# Altium PCB PCB1.PcbDoc (part 2 of 2)
Units mm, origin at the board's own origin, x right, y up, seen from the top; angles counter-clockwise.
Board outline 100 x 68 mm, 2 copper layers (Top Layer, Bottom Layer); 243 components, 316 nets, 1155 pads, 13 vias.
Unrouted connection lines stored in the file: 557.
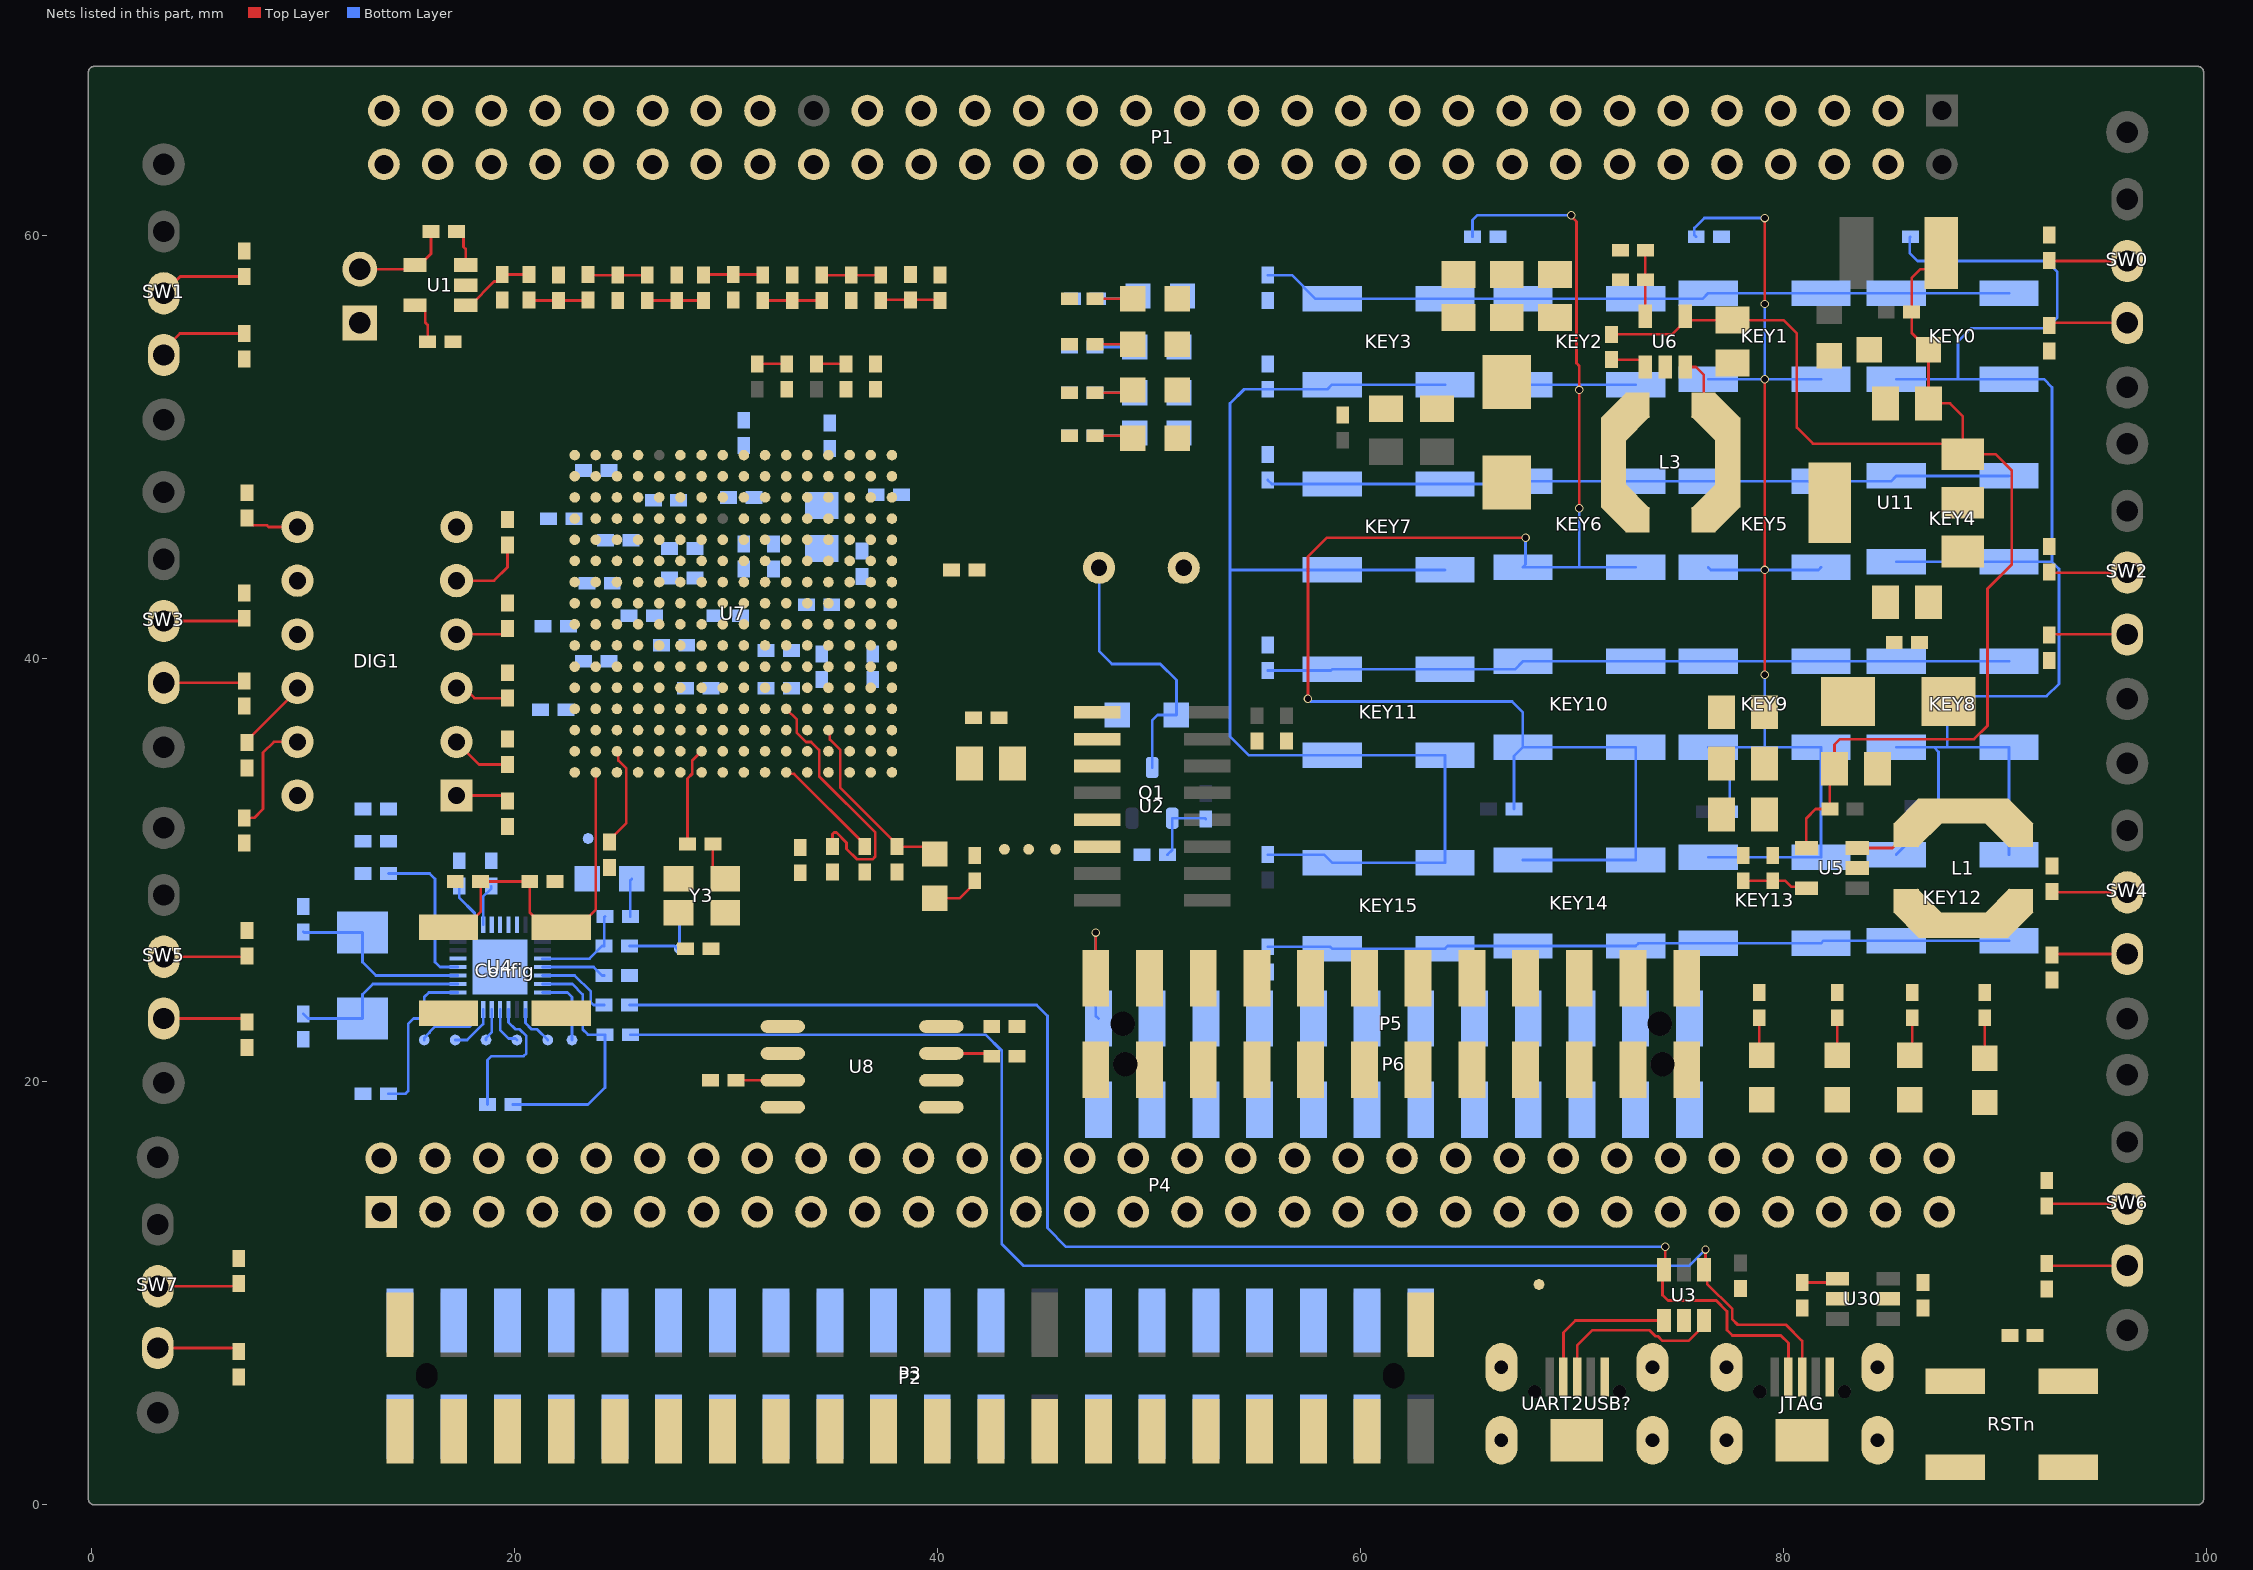
[diagram p2: the nets of this part, all layers, seen from the top]

## Part data
D9 DD1: library part PMEG2010AEH,115, "Diode, Schottky, 20 V, 1 A, SOD-123F", Manufacturer="NXP Semiconductor", Supplier Part Number 1=568-4112-1-ND, Value1=1A, Value2=0.43V, ComponentLink1Description="Datasheet link", ComponentLink1URL=http://www.nxp.com/documents/data_sheet/PMEG2010AEH_PMEG2010AET.pdf, CompType=Diode, IGNORE=N, Io_A=1, LatestRevisionDate=2015-04-30, MountType=SMT, PackageReference=SOD-123F, PartNumber=1N5819, Published=2008-06-26, Publisher="Texas Instruments", RoHS=Y, Supplier 1=Digi-Key, Supplier 2=Mouser, Supplier 3=Farnell, Supplier Part Number 2=771-PMEG2010AEH-T/R, Supplier Part Number 3=2371105, SymbolVersion=2008-12-08, TJmax_C=150, Type=Schottky, U/M=EA, Vf_V=0.43, Vr_V=20
R81 R25 R26 R31 R32 R34 R35 R37 R38 R55 R68 R72 R89 R94 R95 R96 R98 R99: "RES, 2.21 k, 1%, 0.063 W, 0402", Manufacturer=Vishay-Dale, Power_W=0.063, Supplier Part Number 1=541-2.21KLCT-ND, TempCo="100 ppm/C", Tolerance_%=1, Value1=1%, Value2=0.063W, Value_Code=2k21, ValueDisplayed=2.21k, ComponentLink1Description="Datasheet link", ComponentLink1URL=http://www.vishay.com/docs/20035/dcrcwe3.pdf, CompType=Resistor, EIA_Code=E96, LatestRevisionDate=2015-05-01, MountType=SMT, PackageReference=0402, PartNumber=CRCW04022K21FKED, Published=2008-06-26, Publisher="Texas Instruments", Res_ohm=2210, RoHS=Y, Supplier 1=Digi-Key, Supplier 2=Mouser, Supplier 3=Farnell, Supplier Part Number 2=71-CRCW0402-2.21K-E3, Supplier Part Number 3=1469689, SymbolVersion=2009-05-29, Technology="Thick Film", U/M=EA, VDC_V=50
BUZZER1: library part BUZZER_EFBAA14D001, "Buzzer, 74 dB min, 25V p-p, 8500pF @ 1kHz，直插9040无源蜂鸣器", Manufacturer=Panasonic, Area=264,208, ComponentHeight="0.276 inch", ComponentLink1Description="AEO Datasheet Link", PackageReference="0.550 DIA.", PartNumber=直插9040无源蜂鸣器, SymbolVersion="07/31/2009 12:17:27"
C1 C2 C3 C4 C6 C24 C25 C26 C27 C29 C30 C31 C33 C34 C36 C37 C38 C40 C41 C42C? C44 C45 C47 C48 C49 C50 C52 C53 C57: library part C1005X7R1H104M_1, "CAP, CERM, 0.1 μF, 50 V, +/- 20%, X7R, 0402", Cap_Case=0402, Manufacturer=TDK, Supplier Part Number 1=445-5933-1-ND, TempCo=X7R, Tolerance_%=20, Value1=Unknown, Value2=50V, ValueDisplayed=0.1μF, Cap_F=0.0000001, ComponentLink1Description="Datasheet link", CompType=Capacitor, LatestRevisionDate=2015-05-02, MountType=SMT, PackageReference=0402, PartNumber=C1005X7R1H104M, Polarized=N, Published=2008-06-19, Publisher="Texas Instruments", RoHS=Y, Supplier 1=Digi-Key, Supplier 2=Farnell, Supplier Part Number 2=1907278, SymbolVersion=2008-07-09, TaMax_C=125, TaMin_C=-55, Technology=Ceramic, U/M=EA, VDC_V=50
C8: "CAP, CERM, 22 pF, 50 V, +/- 1%, C0G/NP0, 0402", Cap_Case=0402, Manufacturer=MuRata, Supplier Part Number 1=490-8589-1-ND, TempCo=C0G/NP0, Tolerance_%=1, Value1=Unknown, Value2=50V, ValueDisplayed=22pF, Cap_F=0.000000000022, ComponentLink1Description="Datasheet link", ComponentLink1URL=http://search.murata.co.jp/Ceramy/image/img/A01X/partnumbering_e_01.pdf, CompType=Capacitor, LatestRevisionDate=2015-05-02, MountType=SMT, PackageReference=0402, PartNumber=GRM1555C1H220FA01D, Polarized=N, Published=2008-06-19, Publisher="Texas Instruments", RoHS=Y, Supplier 1=Digi-Key, Supplier 2=Mouser, Supplier Part Number 2=81-GRM1555C1H220FA1D, SymbolVersion=2008-07-09, TaMax_C=125, TaMin_C=-55, Technology=Ceramic, U/M=EA, VDC_V=50
C9 C16 C22 C35: "CAP, CERM, 0.1 µF, 50 V, +/- 20%, X7R, 0402", Cap_Case=0402, Manufacturer=TDK, Supplier Part Number 1=445-5933-1-ND, TempCo=X7R, Tolerance_%=20, Value1=Unknown, Value2=50V, ValueDisplayed=0.1µF, Cap_F=0.0000001, ComponentLink1Description="Datasheet link", CompType=Capacitor, LatestRevisionDate=2015-05-02, MountType=SMT, PackageReference=0402, PartNumber=C1005X7R1H104M, Polarized=N, Published=2008-06-19, Publisher="Texas Instruments", RoHS=Y, Supplier 1=Digi-Key, Supplier 2=Farnell, Supplier Part Number 2=1907278, SymbolVersion=2008-07-09, TaMax_C=125, TaMin_C=-55, Technology=Ceramic, U/M=EA, VDC_V=50
C10 C17: library part 293D226X9016C2TE3, "CAP, TA, 22 µF, 16 V, +/- 10%, 1.8 ohm, SMD", Cap_Case=C, Manufacturer=Vishay-Sprague, Supplier Part Number 1=718-1066-1-ND, Tolerance_%=10, Value1="1.8 ohm", Value2=16V, ValueDisplayed=22µF, Cap_F=0.000022, ComponentLink1Description="Datasheet link", ComponentLink1URL=http://www.vishay.com/docs/40002/293d.pdf, CompType=Capacitor, ESR_ohm=1.8, IGNORE=Y, IRMS_A=0.28, LatestRevisionDate=2015-03-19, LatestRevisionNote="Updated supplier links", MountType=SMT, PackageReference=6032-28, PartNumber=293D226X9016C2TE3, Polarized=Y, Publisher="Texas Instruments", RoHS=Y, Series=293D, Supplier 1=Digi-Key, Supplier 2=Mouser, Supplier 3=Farnell, Supplier Part Number 2=74-293D226X9016C2TE3, Supplier Part Number 3=1754187, SymbolVersion=2008-07-09, TaMax_C=125, TaMin_C=-55, Technology=TA, U/M=EA, VDC_V=16
C11 C12 C13 C14 C15 C18 C19 C20 C21 C23 C54 C55: "CAP, CERM, 4.7 µF, 16 V, +/- 10%, X6S, 0805", Cap_Case=0805, Manufacturer=MuRata, Supplier Part Number 1=GRM21BC81C475KA88L-ND, TempCo=X6S, Tolerance_%=10, Value1=Unknown, Value2=16V, ValueDisplayed=4.7µF, Cap_F=0.0000047, ComponentLink1Description="Datasheet link", ComponentLink1URL=http://search.murata.co.jp/Ceramy/PnsearchViewAction.do?HnOFG=ON&HnNFG=ON&SEL_CNT=50&sLang=en&sKey=GRM21BC81C475KA88L&x=9&y=9&search=startwith, CompType=Capacitor, LatestRevisionDate=2015-05-02, MountType=SMT, PackageReference=0805, PartNumber=GRM21BC81C475KA88L, Polarized=N, Published=2008-06-19, Publisher="Texas Instruments", RoHS=Y, Supplier 1=Digi-Key, Supplier 2=Mouser, Supplier 3=Farnell, Supplier Part Number 2=81-GRM21BC81C475KA8L, Supplier Part Number 3=1889279, SymbolVersion=2008-07-09, TaMax_C=105, TaMin_C=-55, Technology=Ceramic, U/M=EA, VDC_V=16
C28 C32 C39 C43 C51: "CAP, CERM, 0.01 μF, 50 V, +/- 5%, X7R, 0402", Cap_Case=0402, Manufacturer=Kemet, Supplier Part Number 1=399-7758-1-ND, TempCo=X7R, Tolerance_%=5, Value1=Unknown, Value2=50V, ValueDisplayed=0.01μF, Cap_F=0.00000001, ComponentLink1Description="Datasheet link", ComponentLink1URL=http://www.kemet.com/Lists/ProductCatalog/Attachments/53/KEM_C1002_X7R_SMD.pdf, CompType=Capacitor, LatestRevisionDate=2015-05-02, MountType=SMT, PackageReference=0402, PartNumber=C0402C103J5RACTU, Polarized=N, Published=2008-06-19, Publisher="Texas Instruments", RoHS=Y, Supplier 1=Digi-Key, Supplier 2=Mouser, Supplier 3=Farnell, Supplier Part Number 2=80-C0402C103J5R, Supplier Part Number 3=2413922, SymbolVersion=2008-07-09, TaMax_C=125, TaMin_C=-55, Technology=Ceramic, U/M=EA, VDC_V=50
C64 C65: "CAP, CERM, 22 pF, 50 V, +/- 1%, C0G/NP0, 0402", Cap_Case=0402, Manufacturer=MuRata, Supplier Part Number 1=490-8589-1-ND, TempCo=C0G/NP0, Tolerance_%=1, Value1=Unknown, Value2=50V, ValueDisplayed=20pF, Cap_F=0.000000000022, ComponentLink1Description="Datasheet link", ComponentLink1URL=http://search.murata.co.jp/Ceramy/image/img/A01X/partnumbering_e_01.pdf, CompType=Capacitor, LatestRevisionDate=2015-05-02, MountType=SMT, PackageReference=0402, PartNumber=GRM1555C1H220FA01D, Polarized=N, Published=2008-06-19, Publisher="Texas Instruments", RoHS=Y, Supplier 1=Digi-Key, Supplier 2=Mouser, Supplier Part Number 2=81-GRM1555C1H220FA1D, SymbolVersion=2008-07-09, TaMax_C=125, TaMin_C=-55, Technology=Ceramic, U/M=EA, VDC_V=50
Config KEY0 KEY1 KEY2 KEY3 KEY4 KEY5 KEY6 KEY7 KEY8 KEY9 KEY10 KEY11 KEY12 KEY13 KEY14 KEY15 RSTn: library part SW-PB, "米黄色圆形按键6*6*3.4"
D0 D1 D2 D3 D4 D5 D6 D7 D11 D12 D13 D14 POWER1 POWER2 ?: library part LED, "LED 发光二极管"
DIG1: library part 4LED-ANODE, "4位共阴数码管，红色"
F1: library part "Fuse 2", "0.5A自恢复贴片保险丝", LatestRevisionDate=17-Jul-2002, LatestRevisionNote="Re-released for DXP Platform.", PackageDescription="Thru-Hole; 2 Leads", PackageReference=PIN-W2/E2.8, Published=8-Jun-2000, Publisher="Altium Limited"
J1: library part HTSW-102-07-G-S, "Header, 100mil, 2x1, Gold, TH", Manufacturer=Samtec, PartNumber=1x2直插圆孔，2.54mm, Supplier Part Number 1=SAM8736-ND, ClassName=Header, ComponentLink1Description="Datasheet Link", ComponentLink1URL=http://www.samtec.com/ftppub/pdf/TSW_TH.PDF, CompType=Header, IGNORE=Y, LatestRevisionDate=2014-11-22, MountType=TH, PackageReference="Header, 100mil, 2x1, TH", Publisher="Texas Instruments", RoHS=Y, Supplier 1=Digi-Key, SymbolCreator=a0412235, SymbolVersion=2013-10-31, U/M=EA
JTAG UART2USB?: library part 105017-0001, "Receptacle, Micro-USB-B, Right Angle, SMD", Manufacturer=Molex, Supplier Part Number 1=WM1399CT-ND, ComponentLink1Description="Datasheet Link", ComponentLink1URL=http://www.molex.com/pdm_docs/sd/1050170001_sd.pdf, CompType=Connector, LatestRevisionDate=2012-12-26, LatestRevisionNote="Added parts, moved some to Hardware.IntLib", MountType=SMT, PackageReference="Micro USB receptacle", PartNumber=micro-usb-sj20, Publisher="Texas Instruments", RoHS=Y, Supplier 1=Digi-Key, Supplier 2=Mouser, Supplier 3=Farnell, Supplier Part Number 2=538-105017-0001, Supplier Part Number 3=1847433, SymbolCreator=a0412235, SymbolVersion=2012-12-19, U/M=EA
L1 L3: library part LPS6225-103MLB, "Inductor, Shielded Drum Core, Ferrite, 4.7µH, 1.3 A, 0.1 ohm, SMD", Manufacturer=Coilcraft, Value1="0.1 ohm", Value2=1.3A, ValueDisplayed=4.7µH, ComponentLink1Description="Datasheet link", ComponentLink1URL=http://www.coilcraft.com/pdfs/lps6225.pdf, CompType=Inductor, DCR_ohm=0.1, Imax_A=1.3, Ind_H=10.0E-6, Irms="1.3A @ 40C rise", Isat="2.2A @ 30% inductance drop", LatestRevisionDate=2015-04-27, Material=Ferrite, MountType=SMT, PackageReference=LPS6225, PartNumber=SWPA6028S4R7MT, Published=2008-06-26, Publisher="Texas Instruments", RoHS=Y, SymbolVersion=2008-07-23, Technology="Shielded Drum Core"
L4 L5: library part BLM21BD121SN1D, "Ferrite Bead, 120 ohm @ 100 MHz, 0.2 A, 0805", Manufacturer=MuRata, Supplier Part Number 1=490-1044-1-ND, Value1="0.25 ohm", Value2=0.2A, ComponentLink1Description="Datasheet link", ComponentLink1URL=http://search.murata.co.jp/Ceramy/image/img/PDF/ENG/L0110S0100BLM21B.pdf, CompType="Ferrite Bead", DCR_ohm=0.25, Imax_A=0.2, LatestRevisionDate=2015-05-01, MountType=SMT, PackageReference=0805, PartNumber=GZ2012V121TF, Published=2014-04-30, Publisher="Texas Instruments", RoHS=Y, Supplier 1=Digi-Key, Supplier 2=Mouser, Supplier 3=Farnell, Supplier Part Number 2=81-BLM21BD121SN1D, Supplier Part Number 3=1515637, SymbolVersion=2009-06-02, ZTyp@100MHz_Ohm=120
P1 P4: library part "Header 30X2", "Header, 30-Pin, Dual row30X2排针，2.54mm", IGNORE=Y, LatestRevisionDate=17-Jul-2002, LatestRevisionNote="Re-released for DXP Platform.", Parameter=30X2排针，2.54mm, Publisher="Altium Limited"
P2 P3: library part "Header 20X2", "贴片2.54mm，2x20,双排孔", LatestRevisionDate=17-Jul-2002, LatestRevisionNote="Re-released for DXP Platform.", Publisher="Altium Limited"
P5: library part "Header 12X2_1", "Header, 12-Pin, Dual row", IGNORE=Y, LatestRevisionDate=17-Jul-2002, LatestRevisionNote="Re-released for DXP Platform.", Parameter="Header 12X2  贴片黄色排母,无固定柱", Publisher="Altium Limited"
P6: library part "Header 12X2", "Header, 12-Pin, Dual row", LatestRevisionDate=17-Jul-2002, LatestRevisionNote="Re-released for DXP Platform.", Publisher="Altium Limited"
Q1: library part "MMBT3906, Fairchild Semiconductor", "Transistor, PNP, 40 V, 0.2 A, SOT-23", Manufacturer="Fairchild Semiconductor", Supplier Part Number 1=MMBT3906FSCT-ND, Value1="0.2 A", Value2=300, ComponentLink1Description="Datasheet link", ComponentLink1URL=http://www.fairchildsemi.com/ds/MM/MMBT3906.pdf, CompType=BJT, HfeMax=300, IcRated_A=0.2, LatestRevisionDate=2015-04-27, MountType=SMT, NPN=0, PackageReference=SOT-23, PartNumber=MMBT3906, PNP=1, Published=2008-07-31, Publisher="Texas Instruments", RoHS=Y, Supplier 1=Digi-Key, Supplier 2=Farnell, Supplier Part Number 2=9846832, SymbolVersion=2008-07-31, TaMax_C=150, TaMin_C=-55, U/M=EA, Vceo_V=40, Vcesat1_V=0.25
R1 R2 R3 R4 R9 R10 R11 R12 R17 R18 R19 R20 R21 R22 R23 R24 R45: "RES, 1.00 k, 1%, 0.063 W, 0402", Manufacturer=Vishay-Dale, Power_W=0.063, Supplier Part Number 1=541-1.00KLCT-ND, TempCo="100 ppm/C", Tolerance_%=1, Value1=1%, Value2=0.063W, Value_Code=1k00, ValueDisplayed=1.00k, ComponentLink1Description="Datasheet link", ComponentLink1URL=http://www.vishay.com/docs/20035/dcrcwe3.pdf, CompType=Resistor, EIA_Code=E96, LatestRevisionDate=2015-05-01, MountType=SMT, PackageReference=0402, PartNumber=CRCW04021K00FKED, Published=2008-06-26, Publisher="Texas Instruments", Res_ohm=1000, RoHS=Y, Supplier 1=Digi-Key, Supplier 2=Mouser, Supplier 3=Farnell, Supplier Part Number 2=71-CRCW0402-1.0K-E3, Supplier Part Number 3=1469662, SymbolVersion=2009-05-29, Technology="Thick Film", U/M=EA, VDC_V=50
R5 R6 R7 R8 R13 R14 R15 R16: "RES, 300, 0.1%, 0.063 W, 0402", Manufacturer="Susumu Co Ltd", Power_W=0.063, Supplier Part Number 1=RG10P300BCT-ND, TempCo="25 ppm/C", Tolerance_%=0.1, Value1=0.1%, Value2=0.063W, Value_Code=300R, ValueDisplayed=300, ComponentLink1Description="Datasheet link", ComponentLink1URL=http://www.susumu-usa.com/pdf/RG_Data_Sheet.pdf, CompType=Resistor, LatestRevisionDate=2015-05-01, MountType=SMT, PackageReference=0402, PartNumber=RG1005P-301-B-T5, Published=2008-06-26, Publisher="Texas Instruments", Res_ohm=300, RoHS=Y, Supplier 1=Digi-Key, Supplier 2=Mouser, Supplier Part Number 2=754-RG1005P-301-B-T5, SymbolVersion=2009-05-29, Technology="Thin Film", U/M=EA, VDC_V=50
R27 R28 R29 R30 R54 R56 R57 R58 R59 R60 R61 R62 R65 R82 R83 R84 R85 R88 R90 R91 R100: "RES, 10.0 k, 1%, 0.063 W, 0402", Manufacturer=Vishay-Dale, Power_W=0.063, Supplier Part Number 1=541-10.0KLCT-ND, TempCo="100 ppm/C", Tolerance_%=1, Value1=1%, Value2=0.063W, Value_Code=10k0, ValueDisplayed=10.0k, ComponentLink1Description="Datasheet link", ComponentLink1URL=http://www.vishay.com/docs/20035/dcrcwe3.pdf, CompType=Resistor, EIA_Code=E96, LatestRevisionDate=2015-05-01, MountType=SMT, PackageReference=0402, PartNumber=CRCW040210K0FKED, Published=2008-06-26, Publisher="Texas Instruments", Res_ohm=10000, RoHS=Y, Supplier 1=Digi-Key, Supplier 2=Mouser, Supplier 3=Farnell, Supplier Part Number 2=71-CRCW0402-10K-E3, Supplier Part Number 3=1469669, SymbolVersion=2009-05-29, Technology="Thick Film", U/M=EA, VDC_V=50
R33 R36 R39 R40 R41 R42 R43 R44: "RES, 100, 1%, 0.063 W, 0402", Manufacturer=Vishay-Dale, Power_W=0.063, Supplier Part Number 1=541-100LCT-ND, TempCo="100 ppm/C", Tolerance_%=1, Value1=1%, Value2=0.063W, Value_Code=100R, ValueDisplayed=100, ComponentLink1Description="Datasheet link", ComponentLink1URL=http://www.vishay.com/docs/20035/dcrcwe3.pdf, CompType=Resistor, EIA_Code=E96, LatestRevisionDate=2015-05-01, MountType=SMT, PackageReference=0402, PartNumber=CRCW0402100RFKED, Published=2008-06-26, Publisher="Texas Instruments", Res_ohm=100, RoHS=Y, Supplier 1=Digi-Key, Supplier 2=Mouser, Supplier 3=Farnell, Supplier Part Number 2=71-CRCW0402-100-E3, Supplier Part Number 3=1469672, SymbolVersion=2009-05-29, Technology="Thick Film", U/M=EA, VDC_V=50
R46 R47 R48 R49 R50 R51 R52 R53 R63: "RES, 20.0 k, 1%, 0.063 W, 0402", Manufacturer=Vishay-Dale, Power_W=0.063, Supplier Part Number 1=541-20.0KLCT-ND, TempCo="100 ppm/C", Tolerance_%=1, Value1=1%, Value2=0.063W, Value_Code=20k0, ValueDisplayed=20.0k, ComponentLink1Description="Datasheet link", ComponentLink1URL=http://www.vishay.com/docs/20035/dcrcwe3.pdf, CompType=Resistor, EIA_Code=E96, LatestRevisionDate=2015-05-01, MountType=SMT, PackageReference=0402, PartNumber=CRCW040220K0FKED, Published=2008-06-26, Publisher="Texas Instruments", Res_ohm=20000, RoHS=Y, Supplier 1=Digi-Key, Supplier 2=Mouser, Supplier 3=Farnell, Supplier Part Number 2=71-CRCW0402-20K-E3, Supplier Part Number 3=1469693, SymbolVersion=2009-05-29, Technology="Thick Film", U/M=EA, VDC_V=50
R66 R67 R97 R101 R102: "RES, 22.1, 1%, 0.063 W, 0402", Manufacturer=Vishay-Dale, Power_W=0.063, Supplier Part Number 1=541-22.1LCT-ND, TempCo="100 ppm/C", Tolerance_%=1, Value1=1%, Value2=0.063W, Value_Code=22R1, ValueDisplayed=22.1, ComponentLink1Description="Datasheet link", ComponentLink1URL=http://www.vishay.com/docs/20035/dcrcwe3.pdf, CompType=Resistor, EIA_Code=E96, LatestRevisionDate=2015-05-01, MountType=SMT, PackageReference=0402, PartNumber=CRCW040222R1FKED, Published=2008-06-26, Publisher="Texas Instruments", Res_ohm=22.1, RoHS=Y, Supplier 1=Digi-Key, Supplier 2=Mouser, Supplier 3=Farnell, Supplier Part Number 2=71-CRCW0402-22.1-E3, Supplier Part Number 3=1469698, SymbolVersion=2009-05-29, Technology="Thick Film", U/M=EA, VDC_V=50
R69 R?: "RES, 1.50 k, 1%, 0.063 W, 0402", Manufacturer=Vishay-Dale, Power_W=0.063, Supplier Part Number 1=541-1.50KLCT-ND, TempCo="100 ppm/C", Tolerance_%=1, Value1=1%, Value2=0.063W, Value_Code=1k50, ValueDisplayed=1.50k, ComponentLink1Description="Datasheet link", ComponentLink1URL=http://www.vishay.com/docs/20035/dcrcwe3.pdf, CompType=Resistor, EIA_Code=E96, LatestRevisionDate=2015-05-01, MountType=SMT, PackageReference=0402, PartNumber=CRCW04021K50FKED, Published=2008-06-26, Publisher="Texas Instruments", Res_ohm=1500, RoHS=Y, Supplier 1=Digi-Key, Supplier 2=Mouser, Supplier 3=Farnell, Supplier Part Number 2=71-CRCW0402-1.5K-E3, Supplier Part Number 3=1653201, SymbolVersion=2009-05-29, Technology="Thick Film", U/M=EA, VDC_V=50
R70 R71 R75 R76 R77 R78 R79 R80: "RES, 0, 5%, 0.063 W, 0402", Manufacturer=Vishay-Dale, Power_W=0.063, Supplier Part Number 1=541-0.0JCT-ND, TempCo="200 ppm/C", Tolerance_%=5, Value1=5%, Value2=0.063W, Value_Code=0000, ValueDisplayed=0, ComponentLink1Description="Datasheet link", ComponentLink1URL=http://www.vishay.com/docs/20035/dcrcwe3.pdf, CompType=Resistor, EIA_Code=E24, LatestRevisionDate=2015-05-01, MountType=SMT, PackageReference=0402, PartNumber=CRCW04020000Z0ED, Published=2008-06-26, Publisher="Texas Instruments", Res_ohm=0, RoHS=Y, Supplier 1=Digi-Key, Supplier 2=Mouser, Supplier 3=Farnell, Supplier Part Number 2=71-CRCW0402-0-E3, Supplier Part Number 3=1469661, SymbolVersion=2009-05-29, Technology="Thick Film", U/M=EA, VDC_V=50
R73 R74: "RES, 4.75 k, 1%, 0.063 W, 0402", Manufacturer=Vishay-Dale, Power_W=0.063, Supplier Part Number 1=541-4.75KLCT-ND, TempCo="100 ppm/C", Tolerance_%=1, Value1=1%, Value2=0.063W, Value_Code=4k75, ValueDisplayed=4.75k, ComponentLink1Description="Datasheet link", ComponentLink1URL=http://www.vishay.com/docs/20035/dcrcwe3.pdf, CompType=Resistor, EIA_Code=E96, LatestRevisionDate=2015-05-01, MountType=SMT, PackageReference=0402, PartNumber=CRCW04024K75FKED, Published=2008-06-26, Publisher="Texas Instruments", Res_ohm=4750, RoHS=Y, Supplier 1=Digi-Key, Supplier 2=Mouser, Supplier 3=Farnell, Supplier Part Number 2=71-CRCW0402-4.75K-E3, Supplier Part Number 3=1469713, SymbolVersion=2009-05-29, Technology="Thick Film", U/M=EA, VDC_V=50
R86: "RES, 49.9 k, 1%, 0.063 W, 0402", Manufacturer=Vishay-Dale, Power_W=0.063, Supplier Part Number 1=541-49.9KLCT-ND, TempCo="100 ppm/C", Tolerance_%=1, Value1=1%, Value2=0.063W, Value_Code=49k9, ValueDisplayed=49.9k, ComponentLink1Description="Datasheet link", ComponentLink1URL=http://www.vishay.com/docs/20035/dcrcwe3.pdf, CompType=Resistor, EIA_Code=E96, LatestRevisionDate=2015-05-01, MountType=SMT, PackageReference=0402, PartNumber=CRCW040249K9FKED, Published=2008-06-26, Publisher="Texas Instruments", Res_ohm=49900, RoHS=Y, Supplier 1=Digi-Key, Supplier 2=Mouser, Supplier 3=Farnell, Supplier Part Number 2=71-CRCW0402-49.9K-E3, Supplier Part Number 3=1469720, SymbolVersion=2009-05-29, Technology="Thick Film", U/M=EA, VDC_V=50
R87: "RES, 11.0 k, 1%, 0.063 W, 0402", Manufacturer=Vishay-Dale, Power_W=0.063, Supplier Part Number 1=541-11.0KLCT-ND, TempCo="100 ppm/C", Tolerance_%=1, Value1=1%, Value2=0.063W, Value_Code=11k0, ValueDisplayed=11.0k, ComponentLink1Description="Datasheet link", ComponentLink1URL=http://www.vishay.com/docs/20035/dcrcwe3.pdf, CompType=Resistor, EIA_Code=E96, LatestRevisionDate=2015-05-01, MountType=SMT, PackageReference=0402, PartNumber=CRCW040211K0FKED, Published=2008-06-26, Publisher="Texas Instruments", Res_ohm=11000, RoHS=Y, Supplier 1=Digi-Key, Supplier 2=Mouser, Supplier 3=Farnell, Supplier Part Number 2=71-CRCW0402-11K-E3, Supplier Part Number 3=1469673, SymbolVersion=2009-05-29, Technology="Thick Film", U/M=EA, VDC_V=50
R92 R93: "RES, 470, 5%, 0.063 W, 0402", Manufacturer=Vishay-Dale, Power_W=0.063, Supplier Part Number 1=541-470JCT-ND, TempCo="200 ppm/C", Tolerance_%=5, Value1=5%, Value2=0.063W, Value_Code=470R, ValueDisplayed=470, ComponentLink1Description="Datasheet link", ComponentLink1URL=http://www.vishay.com/docs/20035/dcrcwe3.pdf, CompType=Resistor, EIA_Code=E24, LatestRevisionDate=2015-05-01, MountType=SMT, PackageReference=0402, PartNumber=CRCW0402470RJNED, Published=2008-06-26, Publisher="Texas Instruments", Res_ohm=470, RoHS=Y, Supplier 1=Digi-Key, Supplier 2=Mouser, Supplier 3=Farnell, Supplier Part Number 2=71-CRCW0402J-470-E3, Supplier Part Number 3=1537425, SymbolVersion=2009-05-29, Technology="Thick Film", U/M=EA, VDC_V=50
SW0 SW1 SW2 SW3 SW4 SW5 SW6 SW7: library part SW-SPDT, "SPDT Subminiature Toggle Switch, Right Angle Mounting, Vertical Actuation", ComponentLink1Description="Manufacturer Link", ComponentLink1URL=http://www.apem.com, DatasheetVersion=05-Dec-2000, LatestRevisionDate=17-Dec-2003, LatestRevisionNote="Schematic revised, PCB Footprint replaced.", PackageDescription="Switch; 4 Leads", PackageReference=TL36WW15050, Published=24-Mar-1999, Publisher="Altium Limited"
T1 T2 T3 T4 T5 T6 T7 T8 T9 T10 T11 T12 T13 T14: "Test Point, TH, Miniature, Red", Manufacturer=Keystone, Supplier Part Number 1=5000K-ND, ComponentLink1Description="Datasheet Link", ComponentLink1URL=http://www.keyelco.com/pdfs/M55p51.pdf, CompType="Test Point Loop", LatestRevisionDate=2012-12-26, LatestRevisionNote="Added parts, moved some to Hardware.IntLib", MountType=TH, PackageReference=Keystone5000, PartNumber=5000, Publisher="Texas Instruments", RoHS=Y, Supplier 1=Digi-Key, SymbolVersion=2008-04-04, U/M=EA